# KiCad board Soldered Inkplate 4 TEMPERA with glass panel_panel.kicad_pcb (continued)
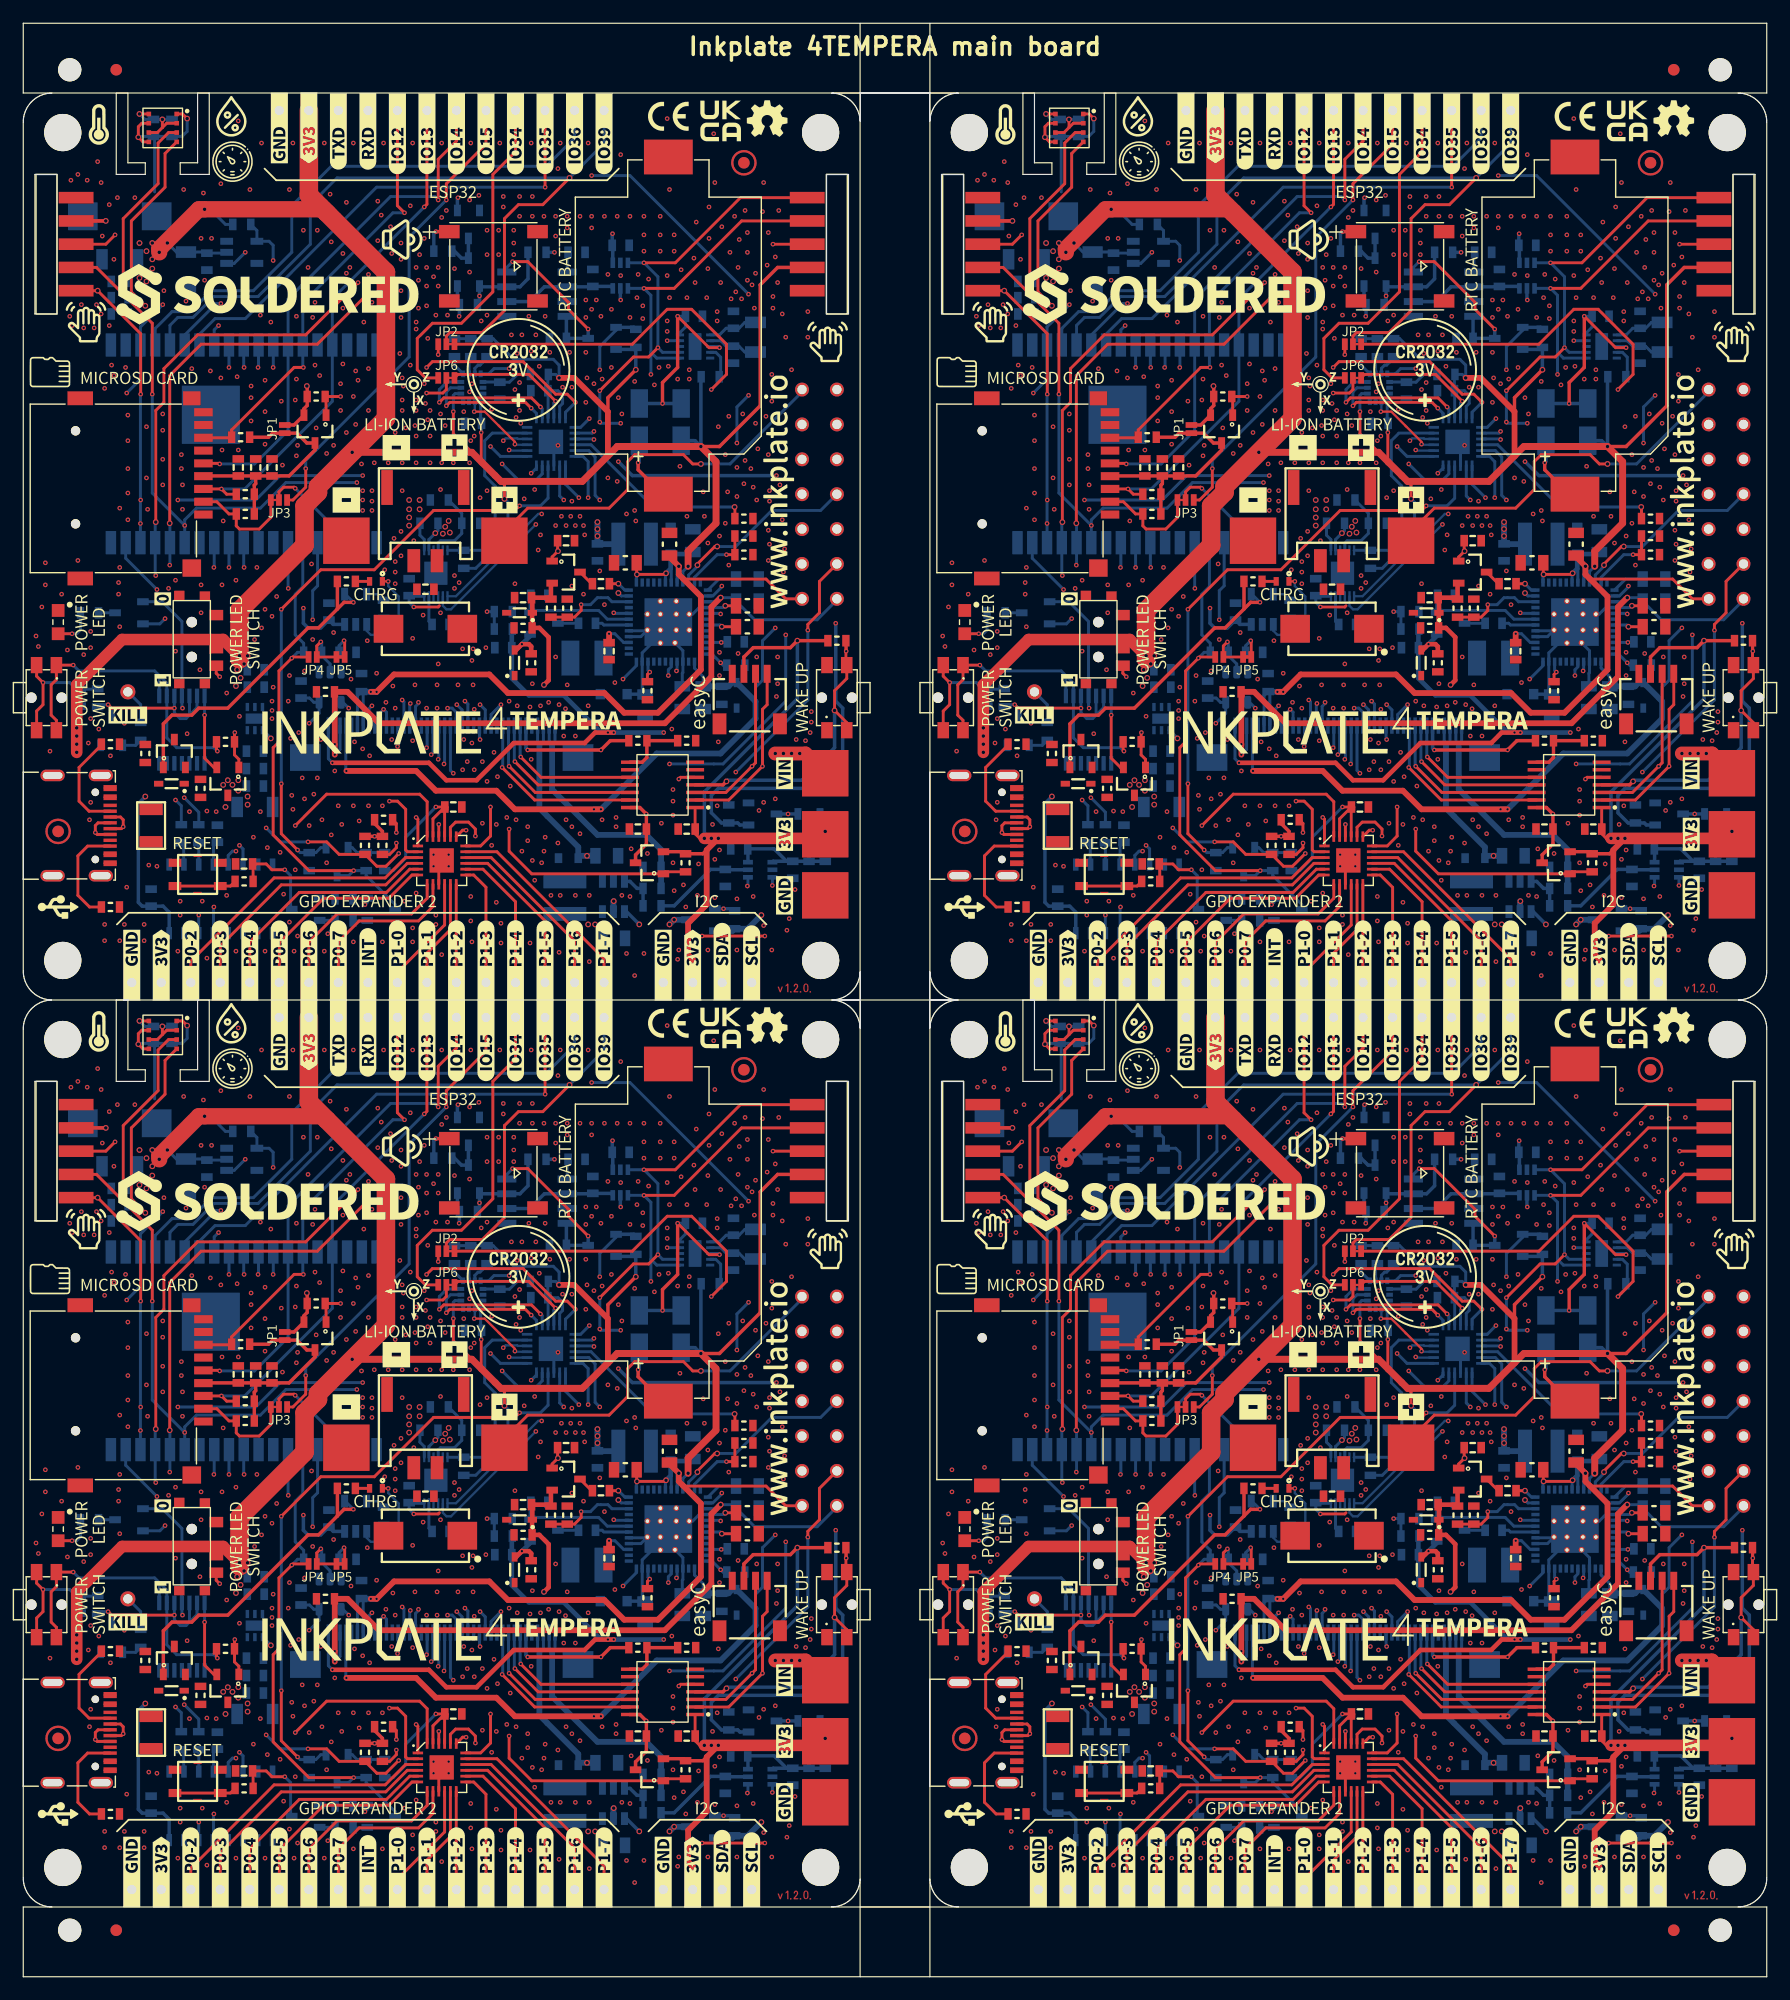
[diagram p0: board, top side]
## Routing (per net, layer and track width the routed paths; a pad name or vN(x,y) marks a point on that pad's centre or on a via; arc(x,y) is an arc through that point) (continued)
Board_1-Net-(R36-Pad1): length 28.2
  Top w0.254: R36#3.1 94.63,105.48 v1(94.7,105.4) ; SW2#3.1 80.85,108.05 80.4,108.5 80.4,111.1 80.85,111.55 SW2#3.1 v1(82.3,112.8)
  Bottom w0.254: v1(82.3,112.8) 82.8,112.3 89.3,112.3 89.7,111.9 ; 89.7,111.9 90.35,111.25 U7#2.9 90.35,106.55 91.2,105.7 94.4,105.7 v1(94.7,105.4) ; 89.7,111.9 U7#2.8
Board_1-Net-(R46-Pad1): length 5.7
  Top w0.3: R47#2.1 R46#4.1 131.65,104.85 131.25,104.45 U10#2.8
Board_1-Net-(R49-Pad2): length 3.3
  Bottom w0.3: R50.1 R49#2.2 130.8,93.6 130.2,94.2 U12#4.3
Board_1-Net-(R56-Pad2): length 1.8
  Bottom w0.254: U17#2.1 115.1,138.6 R56#3.2
Board_1-Net-(R57-Pad2): length 1.5
  Bottom w0.254: R57.2 116.35,139.18 U17#2.2
Board_1-Net-(R58-Pad2): length 2
  Bottom w0.254: U17#2.3 116.85,138.32 117.13,138.6 117.3,138.6 117.9,139.2 R58#3.2
Board_1-Net-(R62-Pad2): length 2.9
  Top w0.3: U20#3.1 v1(113.5,150.08)
  Bottom w0.3: R62#3.2 113.33,149.91 v1(113.5,150.08)
Board_1-OUT: length 18.8
  In1.Cu w0.3: v1(117.25,144.55) 117.25,151.15 v1(115.4,153)
  Bottom w0.3: R59#2.2 121.43,146.03 120.74,145.34 U18#3.3 117.32,145.34 Q14#4.1 117.25,143.98 R61.1 ; v1(115.4,153) 115.35,152.95 Q15.1
Board_1-POT_A: length 9.7
  Bottom w0.3: U18#3.2 121.57,144.07 122.84,145.34 U18#3.6 126.97,145.34 C62#4.2 128.55,145.37 U16#3.6
Board_1-POT_W: length 9.1
  In1.Cu w0.3: v1(123.7,148.3) 124,148.3 128.1,144.2 v1(129.4,144.2)
  Bottom w0.3: U16#3.5 129.37,144.23 v1(129.4,144.2) ; R59#2.1 v1(123.7,148.3)
Board_1-PWR_GOOD: length 23.7
  In1.Cu w0.254: v1(129.6,111.6) 123.2,118 123.2,125.7 v1(124.5,127)
  Bottom w0.254: U1#4.24 130.75,112.75 v1(129.6,111.6) ; v1(124.5,127) 124.15,127.35 U13#4.8
Board_1-PWRUP: length 24.3
  Top w0.254: R5#2.1 131.7,112 v1(131.9,112.2)
  In1.Cu w0.254: v1(131.9,112.2) 130,114.1 130,124.6 v1(127.6,127)
  Bottom w0.254: v1(127.6,127) 127.2,127.4 127.2,130.7 126.65,131.25 U13#4.5 ; v1(131.9,112.2) 131.75,112.35 U1#4.22
Board_1-RST: length 123.6
  Top w0.254: v1(101.4,99) 104.1,101.7 112.1,101.7 112.75,101.05 U15.24 ; v1(112.7,138.4) 113.2,138.9 121,138.9 123.8,136.1 124.8,136.1 v1(125.5,135.4)
  In1.Cu w0.254: v1(112.7,138.4) 112.4,138.1 110,138.1 99.8,148.3 v1(97.1,148.3) 94.5,148.3 v1(90,143.8) ; v1(86.9,136.2) 85.5,134.8 85.5,110 87.5,108 87.5,101.5 90.4,98.6 97.2,98.6 v1(97.8,98)
  In2.Cu w0.254: v1(101.4,99) 100.4,98 v1(97.8,98)
  Bottom w0.254: U4.1 96.15,147.35 v1(97.1,148.3) ; v1(90,143.8) 88.08,141.88 U14.3 88.08,137.38 v1(86.9,136.2) ; U13#4.24 124.65,134.55 v1(125.5,135.4)
Board_1-RXD: length 77.5
  Top w0.254: v2(90.6,125) 90.6,137.7 93.3,140.4 103.3,140.4 107.7,144.8 v1(107.7,146.4)
  In1.Cu w0.254: v1(90.6,121.4) 89.3,121.4 88.3,120.4 88.3,113.9 89.7,112.5 89.7,102.6 v1(91.1,101.2) ; v1(107.7,146.4) 107.65,146.45 K18#4.1
  Bottom w0.254: v2(90.6,125) 90.62,124.98 U14.34 90.62,121.42 v1(90.6,121.4) ; v1(91.1,101.2) 91.6,100.7 R35#4.2
Board_1-SD_ENABLE: length 21.1
  Top w0.254: v1(105.3,135.9) R39.2 104.05,135.83 Q8#4.1
  In1.Cu w0.254: v1(105.3,135.9) 109.6,131.6 v1(118.2,131.6)
  Bottom w0.254: U13#4.13 119.05,130.75 v1(118.2,131.6)
Board_1-SPI_CS: length 8.3
  Top w0.254: JP3.2 100,127.7 100.4,128.1 101.3,128.1 v1(101.4,128)
  Bottom w0.254: U14.23 104.59,124.81 v1(101.4,128)
Board_1-SPI_MISO: length 38.1
  Top w0.254: v1(110.8,151.7) 110.19,152.31 K20.1 ; K10#4.7 95.88,132.35 R44#2.1 95.93,133.03 101.3,138.4 v1(102.1,138.4)
  Bottom w0.254: v1(110.8,151.7) 109.8,151.7 102.05,143.95 U14.14 102.05,138.45 v1(102.1,138.4)
Board_1-SPI_MOSI: length 44.1
  Top w0.254: R43#4.1 95.5,127.5 v1(95.05,127.95) K10#4.3 ; K21#3.1 112.73,152.43 v1(112.5,152.2)
  Bottom w0.254: v1(112.5,152.2) 104.59,144.29 U14.16 104.59,135.49 97.05,127.95 v1(95.05,127.95)
Board_1-SPI_SCK: length 44.8
  Top w0.254: v1(113.7,152.8) 113.7,156.3 115.27,157.87 K19#4.1 ; K10#4.5 94.85,130.15 v1(94.9,130.1)
  Bottom w0.254: v1(113.7,152.8) 113.4,153.1 109.6,153.1 100.78,144.28 U14.13 100.78,132.98 97.9,130.1 v1(94.9,130.1)
Board_1-SW_IN: length 6.5
  Top w0.254: v1(93.6,108.5) 93.6,104.8 94.4,104 94.45,104
  Bottom w0.254: U7#2.14 v1(93.6,108.5)
Board_1-SW_OUT_D: length 20.1
  Top w0.254: v1(96.2,107) 96.18,106.98 R36#3.2 96.18,105.08 96.55,104.7 Q6#3.1
  In1.Cu w0.254: v1(96.2,107) 94.1,109.1 v1(91.7,109.1)
  Bottom w0.254: Q4#4.1 89.95,118.25 91.65,116.55 U7#2.11 91.65,109.15 v1(91.7,109.1)
Board_1-TOUCH_EN: length 28.9
  Top w0.254: v1(119.8,98.7) 119.8,96.8 121.75,94.85 Q11#4.1 133.25,95.03 R52#2.2 ; U15.1 111.95,99.55 v1(111.8,99.7)
  In1.Cu w0.254: v1(119.8,98.7) 118.8,99.7 v1(111.8,99.7)
Board_1-TOUCH_INT_B: length 13.8
  Top w0.254: U10#2.11 122.3,102.5 v1(120.3,104.5)
  Bottom w0.254: K12.8 120.25,104.55 v1(120.3,104.5)
Board_1-TOUCH_RESET: length 33.5
  Top w0.254: v1(134.4,103) 134.55,103.15 U10#2.5 ; v1(109.5,101.1) 110.2,101.1 110.9,100.4 110.9,96.9 111.05,96.75 U15.2
  In1.Cu w0.254: v1(134.4,103) 123.3,103 122,101.7 110.1,101.7 v1(109.5,101.1)
Board_1-TOUCH_RESET_B: length 12.9
  Top w0.254: U10#2.10 122.55,103.15 v1(120.8,104.9)
  Bottom w0.254: v1(120.8,104.9) 120.75,104.95 K12.7
Board_1-TXD: length 76.8
  Top w0.254: v2(89.4,125.1) 89.4,134.7 90.1,135.4 90.1,138.3 93,141.2 102.3,141.2 v1(106.8,145.7)
  In1.Cu w0.254: v1(89.4,120.5) 88.9,120 88.9,114.4 90.3,113 90.3,102.95 v1(91.85,101.4) ; K16#3.1 105.11,156.39 106.8,154.7 v1(106.8,145.7)
  Bottom w0.254: v2(89.4,125.1) 89.35,125.05 U14.35 89.35,120.55 v1(89.4,120.5) ; R34.2 93.1,100.15 v1(91.85,101.4)
Board_1-VBAT: length 40.3
  Top w0.254: v2(136.3,130.1) 135.6,130.1 134.8,130.9 130.6,130.9 130,130.3 130,127.9 128.4,126.3 121.4,126.3 119.33,124.23 ; 113.8,117.9 113.7,117.8 v1(111.6,117.8)
  Bottom w0.254: v2(136.3,130.1) 138.8,130.1 145,136.3 K1#3.8 ; v1(111.6,117.8) 111.2,118.2 C29#3.2 111.25,118.72 U5.6 ; R24.2 113.68,124.38 v2(113.45,124.15) 112.9,123.6 U5.8
  vias: v2(114.1,124.1) v2(114.3,124.7) v2(114.6,125.2) v2(114.7,124.2)
Board_1-VCOM: length 73.8
  Top w0.5: v1(105.8,103.7) 111.8,103.7 113.5,102 118.7,102 120.3,100.4 v1(127.7,100.4)
  In1.Cu w0.254: v1(142.7,116) 142.7,126.5 143.7,127.5 K1#3.11
  Bottom w0.254: 141,109.67 141,110.9 141.6,111.5 141.6,114.9 v1(142.7,116) ; C7#4.2 136.5,111.8 135.75,112.55 U1#4.14 ; v1(105.8,103.7) 105.75,103.75 K12.37
  Bottom w0.5: v1(127.1,100.4) v1(127.7,100.4) 132.5,105.2 138,105.2 141,108.2 141,109.67 D4#2.1 139,111.3 138.68,110.98 R9#3.2 C7#4.2
Board_1-VCOM_CTRL: length 28.4
  In1.Cu w0.254: v1(126.6,127.2) 126.9,127.5 131.1,127.5 137.2,121.4 137.2,113.8 v1(138,113)
  Bottom w0.254: R4#4.1 138.2,112.8 137.25,113.75 U1#4.12 ; v1(126.6,127.2) 126.6,130.3 126.15,130.75 U13#4.6
Board_1-VDDH: length 70.8
  Top w0.254: v1(145.5,115.8) 145.5,116.3 146.5,117.3 146.5,120 K1#3.2
  Top w0.4: D7#3.2 123.4,119.75 R15.2 123.28,118.6 C15#2.2 121.8,118.53 D3.2 121.78,117.28 R8#2.2 122.4,116 123.2,115.2 123.2,111.5 v2(122.8,111.1)
  In2.Cu w0.254: 122,110.4 124.1,110.4 130.9,103.6 v1(139.3,103.6)
  In2.Cu w0.4: v1(108,109.3) 109.1,110.4 122.1,110.4 v2(122.8,111.1)
  Bottom w0.254: v1(108,109.3) 107.75,109.05 K12.33 ; v1(145.5,115.8) 145.5,109.8 v1(139.3,103.6)
Board_1-VEE: length 81.1
  Top w0.4: R10#4.2 121.7,114.4 121.5,114.6 v1(120.9,114.6) 120.4,114.1 D5#4.1 ; v1(128.8,107) 127.2,107 126.3,106.1 120.2,106.1 117,102.9 114.4,102.9 112.9,104.4 v1(104.6,104.4)
  In1.Cu w0.254: K1#3.13 143.6,120.1 v1(143.6,115.4) ; v1(133.1,107) 133.1,104.8 v1(133.6,104.3)
  Bottom w0.254: K12.40 104.25,104.75 v1(104.6,104.4) ; v1(143.6,115.4) 143.6,109.7 138.2,104.3 v1(133.6,104.3)
  Bottom w0.4: v1(133.1,107) v1(128.8,107) 127.7,107 124.5,110.2 121.5,110.2 120.03,111.67 C14#2.2 ; C14#2.2 120.03,115.86 R13#2.2 ; C14#2.2 120.6,114.3 121.6,115.3 D6#2.1
  vias: v1(128.3,107)
Board_1-VIN: length 153.3
  Top w0.5: C9#2.2 v1(128.4,115.5)
  Top w1.2: PAD3.1 145.3,105.2 v2(142.7,105.2)
  In2.Cu w0.4: 134.9,107.7 136.9,107.7 138.9,109.7 138.9,113.9 v1(138.05,114.75)
  In2.Cu w0.5: v2(142.7,105.2) 144.7,103.2 144.7,99.3 141.5,96.1 v2(141.5,91.3) ; 126.9,115.7 128.2,115.7 v1(128.4,115.5)
  In2.Cu w1.2: v2(127.4,124.5) v2(127.4,125.1) ; v2(127.4,125.1) 141.7,139.4 146.6,139.4 148,138 K1#3.7 ; v2(127.4,125.1) 127.4,123 125.4,121 119.5,121 114.2,115.7 ; 144.6,105.2 137.4,105.2 126.9,115.7 114.2,115.7 ; v2(96,102.5) 96,102.9 106.5,113.4 111.9,113.4 114.2,115.7
  Bottom w0.254: U1#4.27 129.65,114.75 128.9,115.5 v1(128.4,115.5) ; U1#4.10 v1(138.05,114.75) ; v1(138.05,114.75) 138.1,114.8 C6.2 138.52,114.75 v1(138.05,114.75)
  Bottom w0.3: v2(99.3,106.5) 99.29,106.5 U3#3.4
  Bottom w0.5: Q12#4.2 139.03,89.95 R53#3.2 140.33,90.13 v2(141.5,91.3) ; L2.1 127.43,123.2 C10#2.2 v2(127.4,125.1)
  vias: v2(95.2,102.5) v2(95.4,100.6) v2(95.6,102.9) v2(96.5,102.9) v2(96.5,102) v2(97.3,101.5) v2(97.3,100.8) v2(127.4,123.9) v2(143.4,105.2) v2(144.1,105.2) v2(144.8,105.2)
Board_1-VIN_BCK: length 11
  In1.Cu w0.5: v2(134,90.9) v2(133.6,90.5) v2(131,90.5) v2(126.6,90.5)
  Bottom w0.3: v2(131,90.5) 129.9,91.6 U12#4.4
  Bottom w0.5: v2(133.6,90.5) v2(134,90.9) Q12#4.3
  vias: v2(127.2,90.5)
Board_1-VNEG: length 65.1
  Top w0.5: v1(104.8,105.1) v1(104.8,106) 104.8,110.48 R6.1 105.9,110.5 108.6,107.8 133.2,107.8 137.2,111.8 137.2,117.8 v2(138,118.6)
  Bottom w0.254: K12.38 105.25,105.55 v1(104.8,105.1) ; 137.8,118.6 v2(138,118.6) ; 137.8,118.6 137.45,118.25 U1#4.3 ; 137.8,118.6 139.03,118.6 C2.2 140.92,116.7 146.3,116.7 148,118.4 K1#3.1 ; K12.39 104.75,106.05 v1(104.8,106)
Board_1-VPOS: length 62.7
  Top w0.254: K1#3.14 143.6,118.5 141.9,120.2 134.8,120.2 134.75,120.25
  Top w0.5: v1(107.9,110.5) v1(108.4,110.5) 109.9,112 118.1,112 119.7,110.4 128,110.4 129.7,108.7 132.6,108.7 136.3,112.4 136.3,118.7 134.4,120.6 v2(134.4,121.3) 133.5,122.2
  Bottom w0.254: v2(134.4,121.3) 134.25,121.15 U1#4.44 ; K12.35 106.75,110.18 R7#2.1 107.25,110.38 K12.34
  Bottom w0.5: R7#2.1 107.13,110.5 v1(108.4,110.5)
Board_1-VSYS: length 36.4
  In2.Cu w1.2: 111,126.6 v1(102.1,117.7) 98.5,114.1 98.5,111.7 93.7,106.9 v1(92.1,106.9)
  Bottom w0.254: R24.1 112.13,123.98 112.5,123.6 U5.7
  Bottom w0.3: v1(102.1,117.7) 102.1,116.4 102.5,116 103.6,116 104.27,116.67 C67#3.2 104.67,116.3 U2.3
  vias: v2(111.2,127) v2(111.2,126.2) v2(111.2,125.5) v2(111.2,124.8) v2(112.1,127) v2(112.1,126.2)
Board_1-VUSB: length 42
  Top w0.3: 105.03,117.63 R19#2.1 ; 105.03,117.63 105.6,118.2 v1(106.4,118.2) ; 105.03,117.63 103.4,116 102.5,116 95.6,109.1 93.1,109.1 92.5,108.5 90.8,108.5 90.05,107.75 Q7#4.1
  Bottom w0.254: U2.4 105.7,118.9 v1(106.4,118.2)
  Bottom w0.3: U6#3.16 90.56,91.55 90.03,92.07 C32#4.2 88.23,92.07 87.9,92.4 87.9,100.9 v2(88.5,101.5)
Board_1-WAKEUP: length 28.5
  Top w0.254: R3.1 139.23,126.38 v2(139.2,126.4)
  In1.Cu w0.254: v1(138,117.2) 138.7,117.2 139.6,118.1 139.6,126 v2(139.2,126.4)
  Bottom w0.254: U13#4.4 126.85,131.75 132.2,126.4 v2(139.2,126.4) ; v1(138,117.2) 137.95,117.25 U1#4.5
Board_2-3V3: length 447
  Top w0.254: 39.45,52.25 39.4,52.3 v1(39.4,54.8) ; 11.97,81.03 11.54,80.6 U19#2.6 ; 11.97,81.03 12.34,81.4 U19#2.2 ; 11.97,81.03 v2(11.97,81.73) ; U15#2.18 39.35,19.25 40.2,20.1 v1(40.2,22.6) ; 36.47,22.37 36.47,22.6 36.25,22.38 U15#2.21 ; 40.6,51.1 41.4,50.3 v2(41.4,49.1) ; v1(35.5,22.6) C59.2 35.25,21.58 U15#2.23 ; 38.6,53.1 37,54.7 v1(37,56.6) ; v2(58.6,19.9) 58.2,19.9 57.81,20.29 C42#2.2 57.8,20.71 U10#3.1 ; U19#2.8 v2(10,82.2)
  Top w0.3: K43.4 64.9,69 63.4,67.5 63.4,57.1 59.9,53.6 v2(58.3,53.6) ; 58.8,18.9 58.48,18.57 R52.1 56.8,18.75 Q11#3.2 ; JP1#3.2 23.3,55.45 Q8.2 24.15,56.85 24.43,57.12 R39#2.1 24.43,58.78 v2(24.4,58.8) ; 50.3,56.6 50.3,57.8 v2(52.7,60.2) ; K4#2.3 62,35.5 62.8,36.3 66,36.3 v2(66.6,36.9) R41#2.2 ; 11.13,69.72 v2(11.1,69.7) ; R2.2 R1.2 30.9,20.5 30.23,21.18 R55#3.1
  Top w0.32: K42#4.4 v2(7.1,73)
  Top w0.5: K5#3.1 57.59,9.51 57.2,9.9 57.2,12.6 58.8,14.2 58.8,18.9 v2(59.8,19.9) ; v2(46.1,59.5) 47.4,59.5 50.3,56.6 50.3,52.8
  Top w0.6: v2(28.3,53.1) 38.6,53.1 41.1,50.6 48.1,50.6 51.1,53.6 v2(58.3,53.6) 59.6,52.3 59.6,47 57.2,44.6 v2(57.2,43.3)
  Top w1: v2(4.6,27.3) 4.6,33.1 8.5,37 17.2,37 v2(18.6,35.6) ; PAD4#2.1 68.65,19.9 v2(58.6,19.9)
  Top w1.4: v2(11.7,70.3) 11.7,70.6 15.1,74 v2(15.6,74) 25.8,74 26.1,73.7
  Top w1.6: 18.6,35.3 18.6,39.5 24.2,45.1 24.2,48.5 25.35,49.65 25.35,50.15 31.2,56 31.2,68.6 24.57,75.23 K13#2.1
  In1.Cu w0.254: v2(15.6,74) 14.5,74 11.97,76.53 v2(11.97,81.73)
  In1.Cu w0.3: v2(7.1,73) 7.8,73.7 15.3,73.7 v2(15.6,74) ; v2(28.3,53.1) 24.4,57 v2(24.4,58.8)
  In1.Cu w1: v2(4.6,29.4) 4.6,19.8 5.1,19.3 7.3,19.3 10.5,16.1 ; v2(59.8,19.9) 49.8,19.9 47.1,22.6 v1(35.5,22.6) 32.6,22.6 26.1,16.1 10.5,16.1 ; K22#4.1 11.87,14.73 10.5,16.1
  Bottom w0.254: U1#2.45 56.75,42.85 v2(57.2,43.3) ; C65#2.2 C64#2.2 10.47,81.73 v2(10,82.2) ; v2(15.6,74) 16.1,74 17.4,72.7 R27#4.2 ; C53#4.2 45.13,59.75 R54#2.1 45.8,59.8 v2(46.1,59.5) 46.1,60.6 45.6,61.1 42.9,61.1 ; v2(41.4,49.1) 41.7,48.8 41.7,45.9 38.93,43.12 R26.1 ; 42.9,61.1 42.2,61.1 40.43,62.88 R58#2.1 R56#2.1 ; 42.9,61.1 42.4,60.6 42.4,59.7 41.83,59.13 C61#3.2 40.98,59.15 U17.5 ; v1(35.5,22.6) 32.9,20 32.9,18.2 31.83,17.12 R21#4.2 ; U13#2.23 46.15,57.05 46.4,57.3 46.4,58 46,58.4 45.03,58.4 45.15,58.28 U13#2.21 ; v1(39.4,54.8) 39.43,54.83 C63#4.2 39.35,55.68 U17.8 ; v1(37,56.6) 37,58 37.15,58.15 U17.12 ; U4#4.2 17.43,70.23 C27#2.2 15.71,70.33 C25#4.2 13.18,70.33 v2(12.4,71.1)
  Bottom w0.3: Q13#4.2 52.53,61.95 R60#4.1 v2(52.7,60.2) ; v2(58.6,19.9) 58.6,23.9 66.6,31.9 v2(66.6,36.9) ; 57.7,54.1 D11.1 57.8,54.1 v2(58.3,53.6) 58.3,59.58 R40#2.2 ; v2(69,20.5) 68.55,20.95 Q9#3.2
  vias: v1(30.23,20.07) v2(4.6,28.7) v2(4.6,28) v2(10,71.1) v2(10,68.1) v2(10.6,70.4) v2(10.6,67.8) v2(11.1,71.1) v2(11.1,68.9) v2(18.3,33) v2(18.4,34.4) v2(18.7,33.7) v2(19,34.9) v2(19.3,35.6) v2(59.2,19.9)
Board_2-3V3-EINK: length 81.9
  Top w0.254: v2(58,43.4) 58,43.5 59.5,45 v2(59.7,45)
  In1.Cu w0.254: 38.1,27.4 35.8,25.1 26.3,25.1 24.6,26.8 v1(24.6,29.8)
  In1.Cu w0.5: v2(58,43.4) 58.4,43 58.4,36.6 56.9,35.1 55.3,35.1 54.7,34.5 54.7,33.1 53.7,32.1 50.4,32.1 48.5,30.2 42.5,30.2 39.7,27.4 37.4,27.4 35.7,29.1 32.9,29.1 v1(31,31)
  Bottom w0.254: K12#2.31 30.75,30.75 v1(31,31) 31.25,30.75 K12#2.30 ; K1#4.4 68.6,48.1 64.4,48.1 61.3,45 v2(59.7,45) ; C51#4.2 24.63,31.97 25,31.6 U11#4.5 25.45,30.65 v1(24.6,29.8) ; U1#2.46 57.25,42.55 58,43.3 v2(58,43.4)
Board_2-3V3_BUZZER: length 42.8
  Top w0.254: v1(42.1,69.5) 43.4,69.5 46.9,66 46.9,65.4 v1(48.6,63.7)
  In1.Cu w0.3: v1(37.5,64.8) 38.6,63.7 v1(48.6,63.7) 50,63.7 52.1,65.8 52.1,70.5 v1(50.7,71.9)
  Bottom w0.254: U18#2.4 41.6,69 v1(42.1,69.5)
  Bottom w0.3: U18#2.8 46.73,64.72 C66.2 Q13#4.3 v1(48.6,63.7) ; U16#4.1 50.72,70.85 C60#3.2 50.67,71.87 v1(50.7,71.9) ; v1(37.5,64.8) 37.53,64.83 R61#2.2 37.35,65.97 Q14#3.2
Board_2-3V3_MICROSD: length 20.6
  Top w0.3: C40#4.2 20,50.4 19.88,50.28 R43#2.2 R42#4.2 ; C40#4.2 C39#2.2 22.87,51.07 25.1,53.3 Q8.3 24.4,53.9 23.55,54.75 JP1#3.1 21.45,54.75 21.1,54.4 R44#3.2 ; C40#4.2 C41#4.2 15.52,51.07 K10#3.4
Board_2-3V3_RTC: length 19.7
  Top w0.254: v1(59.9,62.1) 59,62.1 v1(56.3,64.8)
  Top w0.3: v1(55,57.3) 55,59.1 56.3,60.4 v1(56.3,64.8)
  Bottom w0.254: v1(59.9,62.1) 59.8,62.2 U8.3 ; U8.10 56.5,63.4 56.97,63.87 C38#3.2 v1(56.3,64.8)
  Bottom w0.3: D12#3.2 D11.2
Board_2-3V3_TOUCH: length 24.5
  Top w0.3: Q11#3.3 52.68,18.48 53.61,19.41 C49#2.1 53.61,21.99 53.05,22.55 U10#3.14 ; R46#3.2 50.5,28.3 v1(49.7,27.5) v1(43.4,27.5)
  In2.Cu w0.3: v1(53.6,22) 53.6,23.6 v1(49.7,27.5)
  Bottom w0.3: K12#2.6 43.25,27.65 v1(43.4,27.5)
Board_2-/CTRL & COMS/BIN: length 6.3
  Bottom w0.254: U5#4.10 35.7,45.3 35.9,45.5 37.1,45.5 37.73,46.12 R28.1 37.73,47.85 R25#4.2
Board_2-/CTRL & COMS/CH_RXD: length 1.9
  Bottom w0.254: U6#2.3 15.1,17.66 R34#4.1
Board_2-/CTRL & COMS/CH_TXD: length 2
  Bottom w0.254: R35#3.1 13.8,19.32 13.8,17.68 U6#2.2
Board_2-/CTRL & COMS/DTR: length 17.2
  In1.Cu w0.254: v1(29.4,14.2) 16.6,14.2 v1(16.4,14)
  Bottom w0.254: R29#2.2 28.43,14.75 Q3.2 29.6,14.4 v1(29.4,14.2) ; U6#2.13 16.37,13.97 v1(16.4,14)
Board_2-/CTRL & COMS/RTS: length 16
  In1.Cu w0.254: v1(15.1,13.3) 24.6,13.3 v1(26.2,11.7)
  Bottom w0.254: v1(15.1,13.3) 15.1,13.29 U6#2.14 ; v1(26.2,11.7) 26.83,12.32 R30#2.2 26.78,12.85 Q2#4.2
Board_2-/E-paper/DAC_OUT: length 8.8
  Bottom w0.3: R50#4.2 56,14.1 59.13,17.23 C48#3.2 60.43,17.2 U9#2.5
Board_2-/MCU & GPIO Expanders/GPIO34: length 28.8
  Top w0.254: JP6.2 36.4,58.5 36.1,58.2 v1(34.7,58.2)
  In1.Cu w0.254: v1(17,65.9) 21.3,65.9 29,58.2 v1(34.7,58.2)
  Bottom w0.254: U14#2.6 13.89,63.19 16.6,65.9 v1(17,65.9)
Board_2-/MCU & GPIO Expanders/INTB: length 11.8
  Top w0.254: JP6.1 37.4,59.8 v1(43,59.8) 43.5,59.8 v1(45.8,57.5)
  Bottom w0.254: v1(43,59.8) 43.53,59.8 ; v1(45.8,57.5) 45.65,57.35 U13#2.22
Board_2-/POWER/INT_LDO: length 2.2
  Top w0.254: v2(60.1,38.1) 61.03,38.1
  Bottom w0.254: U1#2.7 59.95,38.25 v2(60.1,38.1)
Board_2-/POWER/TS: length 6.3
  Top w0.254: v1(60.5,44.3) R11#4.2 R12#4.2
  Bottom w0.254: v1(60.5,44.3) 59.7,44.3 57.75,42.35 U1#2.47
Board_2-/POWER/VB: length 10.7
  Top w0.254: v2(55.3,42.7) 55.2,42.6 v2(52.8,42.6) 52.78,42.62 C12#3.2
  Bottom w0.254: U1#2.42 55.25,42.65 55.7,43.1 55.75,43.05 U1#2.43 ; U1#2.37 52.75,42.55 v2(52.8,42.6)
  Bottom w0.4: C11#3.2 57.43,44.35 D2.1 55.7,43.1 v2(55.3,42.7)
Board_2-/POWER/VN: length 19
  Top w0.254: C3#4.2 v2(60.4,39.9)
  Bottom w0.254: U1#2.49 56.75,36.04 U1#2.16 56.75,34.15 56.7,34.1 C8.2 ; U1#2.49 57.59,39.19 58.15,39.75 U1#2.4 60.25,39.75 v2(60.4,39.9) ; U1#2.29 53.64,37.75 U1#2.49 53.14,37.25 U1#2.28 ; 53.48,32.3 C5#2.2 53.25,32.53 U1#2.23 53.25,35.85 54.1,36.7 U1#2.49
  Bottom w0.3: D1.2 53.48,32.3
Board_2-/POWER/VREF: length 2.8
  Bottom w0.254: C1#4.2 59.85,42.2 U1#2.1
Board_2-/SD & RTC/X1: length 4.3
  Bottom w0.254: U8.1 59.9,63.2 60.47,63.77 C36#3.2 61.58,63.77 62.09,64.28 X1#3.1
Board_2-/SD & RTC/X2: length 4.3
  Bottom w0.254: X1#3.2 62.08,61.72 61.57,62.23 C37.2 60.47,62.23 60,62.7 U8.2
Board_2-BACKLIGHT_EN: length 68.7
  In1.Cu w0.3: v1(64.8,51.1) 67.8,51.1 68.5,50.4 68.5,39.8 v1(69.9,38.4)
  In2.Cu w0.3: v1(51.2,52.3) 44.7,52.3 v1(43.7,51.3)
  Bottom w0.254: v1(43.7,51.3) 44.15,51.75 U13#2.12
  Bottom w0.3: v1(69.9,38.4) 69.9,31.7 70.5,31.1 70.5,27.4 67.3,24.2 59.8,24.2 59.2,23.6 59.2,22.1 60.08,21.22 R51.2 61.48,21.22 61.65,21.05 Q10#4.1 ; v1(51.2,52.3) 52.4,51.1 v1(64.8,51.1)
Board_2-BCK_ANODE: length 22.7
  In1.Cu w0.5: v2(48.5,18.4) 48.5,16.8 v2(50.8,14.5)
  Bottom w0.254: K12#2.4 44.25,28.05 44.4,27.9 44.75,28.25 K12#2.3
  Bottom w0.5: v2(50.8,14.5) 50.78,14.47 U12.5 ; v2(48.5,18.4) C50.2 47.95,18.4 D13#3.2 47.75,19.15 44.4,22.5 44.4,27.9
Board_2-BCK_CATHODE: length 22.3
  Bottom w0.254: K12#2.1 45.75,28.15 45.5,27.9 45.25,28.15 K12#2.2
  Bottom w0.5: 45.5,27.9 45.5,24.1 49.4,20.2 53.6,20.2 54.88,18.93 R48#3.2 R49#3.1
Board_2-BCK_MOS: length 14.1
  In1.Cu w0.3: v1(65.8,22) 60.25,16.45 v1(60.25,13.85)
  Bottom w0.3: Q12#2.1 61.03,13.85 R53#2.1 ; Q10#4.3 v1(65.8,22) Q9#3.1
Board_2-BUZZER_EN: length 20.5
  In1.Cu w0.254: v1(41.8,53.3) 41.8,57.2 44.8,60.2 v1(49.6,60.2)
  Bottom w0.2: U13#2.14 41.85,53.25
  Bottom w0.254: v1(41.8,53.3) 41.85,53.25 ; Q13#4.1 51,63.6 49.6,62.2 v1(49.6,60.2)
  Bottom w0.3: R60#4.2 52.53,63.85 Q13#4.1
Board_2-CLKOUT_RTC: length 22.2
  Top w0.254: v1(35.7,61.5) JP2.1
  In1.Cu w0.254: v1(55.4,62.7) 36.9,62.7 v1(35.7,61.5)
  Bottom w0.254: U8.9 v1(55.4,62.7)
Board_2-D+: length 17.8
  Top w0.254: K2.B6 6.36,20.24 v1(6.2,20.4) 6.2,21 6.44,21.24 K2.A6
  In1.Cu w0.254: v1(6.2,20.4) 7.9,20.4 9.67,18.63 18.14,18.63 v1(18.3,18.8)
  Bottom w0.254: v1(18.3,18.8) 18,18.8 17.64,18.44 U6#2.5
Board_2-D-: length 15.5
  Top w0.254: K2.B7 8.36,21.74 8.6,21.5 v1(8.6,20.9) 8.44,20.74 K2.A7
  In1.Cu w0.254: v1(18.6,19.3) 10.2,19.3 v1(8.6,20.9)
  Bottom w0.254: U6#2.6 18.91,19 v1(18.6,19.3)
Board_2-EPD_CKV: length 48
  In1.Cu w0.254: v1(16.8,64) 20.7,64 22.8,61.9 22.8,49.8 39.3,33.3 v1(39.3,31.4)
  Bottom w0.254: v1(39.3,31.4) 39.75,30.95 K12#2.13 ; U14#2.8 16.43,63.63 v1(16.8,64)
Board_2-EPD_CL: length 8.4
  In1.Cu w0.254: v1(32.2,27.8) 31.04,27.8 28,30.84 v1(28,31.1)
  Bottom w0.254: K12#2.28 32.25,27.85 v1(32.2,27.8) ; U11#4.4 27.5,31.6 v1(28,31.1)
Board_2-EPD_D0: length 25.8
  In1.Cu w0.254: v1(34.7,27.7) 33.4,27.7 30.9,30.2 30,30.2 22.8,37.4 v1(22.8,41.4)
  Bottom w0.254: K12#2.23 34.75,27.75 v1(34.7,27.7) ; v1(22.8,41.4) 22.78,41.42 U14#2.26
Board_2-EPD_D1: length 29.8
  In1.Cu w0.254: v1(19,43.2) 19,40.3 24.9,34.4 24.9,33.4 31.2,27.1 v1(35.1,27.1)
  Bottom w0.254: v1(35.1,27.1) 35.25,27.25 K12#2.22 ; U14#2.29 18.97,43.23 v1(19,43.2)
Board_2-EPD_D2: length 32
  In1.Cu w0.254: v1(35.7,26.7) 35.4,26.4 31.3,26.4 17.7,40 v1(17.7,43.2)
  Bottom w0.254: K12#2.21 35.75,26.75 v1(35.7,26.7) ; U14#2.30 v1(17.7,43.2)
Board_2-EPD_D3: length 35
  In1.Cu w0.254: v1(36.2,26.3) 35.6,25.7 30,25.7 16.4,39.3 v1(16.4,43.2)
  Bottom w0.254: K12#2.20 36.25,26.35 v1(36.2,26.3) ; U14#2.31 16.43,43.23 v1(16.4,43.2)
Board_2-EPD_D4: length 44.9
  In1.Cu w0.254: v1(11.5,41.3) 11.5,36.7 23.7,24.5 36,24.5 v1(37,25.5)
  Bottom w0.254: v1(37,25.5) 36.75,25.75 K12#2.19 ; v1(11.5,41.3) 8.81,43.99 U14#2.37
Board_2-EPD_D5: length 40.5
  In1.Cu w0.254: v1(19,60.4) 19,48.6 v1(36.5,31.1)
  Bottom w0.254: v1(19,60.4) 18.97,60.43 U14#2.10 ; v1(36.5,31.1) 36.9,31.1 37.25,30.75 K12#2.18
Board_2-EPD_D6: length 40
  In1.Cu w0.254: v1(20.2,60.4) 20.2,49.5 37.3,32.4 v1(37.3,31.4)
  Bottom w0.254: U14#2.11 20.24,60.44 v1(20.2,60.4) ; v1(37.3,31.4) 37.75,30.95 K12#2.17
Board_2-EPD_D7: length 39.7
  In1.Cu w0.254: v1(38,31.7) 38,33.3 21.5,49.8 v1(21.5,60.4)
  Bottom w0.254: K12#2.16 38.25,31.45 v1(38,31.7) ; v1(21.5,60.4) 21.51,60.41 U14#2.12
Board_2-EPD_GMODE: length 34.1
  In1.Cu w0.254: v1(49.1,54.9) 48,54.9 40.5,47.4 40.5,29.6 v1(39.3,28.4)
  Bottom w0.254: v1(49.1,54.9) 48.95,54.75 U13#2.2 ; v1(39.3,28.4) 39.25,28.45 K12#2.14
Board_2-EPD_LE: length 19.6
  In1.Cu w0.254: v1(24.9,38.7) 31.8,31.8 v1(32.6,31.8)
  Bottom w0.254: K12#2.27 32.75,31.65 v1(32.6,31.8) ; U14#2.24 25.32,41.62 24.9,41.2 v1(24.9,38.7)
Board_2-EPD_OE: length 41.2
  In1.Cu w0.254: v1(48.7,56) 47.2,56 39.3,48.1 39.3,34.5 39.9,33.9 39.9,31.1 39.1,30.3 33.9,30.3 33.3,30.9 v1(33.3,31.5)
  Bottom w0.254: K12#2.26 33.25,31.45 v1(33.3,31.5) ; U13#2.1 47.95,55.25 v1(48.7,56)
Board_2-EPD_SPH: length 39.6
  In1.Cu w0.254: v1(17.7,60.4) 17.7,47.9 v1(34,31.6)
  Bottom w0.254: K12#2.25 33.75,31.25 34,31.5 v1(34,31.6) ; U14#2.9 v1(17.7,60.4)
Board_2-EPD_SPV: length 29.9
  In1.Cu w0.254: v1(49.1,54.2) 41.1,46.2 v1(41.1,31.4)
  Bottom w0.254: v1(41.1,31.4) 40.25,30.55 K12#2.12 ; v1(49.1,54.2) 49.05,54.25 U13#2.3
Board_2-GND: length 18.8
  Top w0.254: U19#2.7 10.2,81.4 9.9,81.1 v2(9.9,80.2) 10.3,79.8 U19#2.5 ; v2(14.1,81.8) 13.7,82.2 U19#2.1 ; U15#2.25 35.75,17.75 U15#2.9
  Bottom w0.254: U13#2.25 45.65,53.75 U13#2.9 ; C64#2.1 11.3,80.17 11.3,75.5 ; C64#2.1 9.97,80.27 v2(9.9,80.2) ; C64#2.1 C65#2.1 13.67,80.27 14.1,80.7 v2(14.1,81.8) ; 5.2,73.4 C54.2
  vias: v1(1.1,37.3) v1(1.3,36.4) v1(1.6,39.8) v1(1.9,43.6) v1(1.9,41.7) v1(2.3,27.4) v1(3.3,40.9) v1(3.8,36.1) v1(4,64.8) v1(4.1,76.5) v1(4.2,64) v1(4.7,77) v1(4.7,43.8) v1(5,65.8) v1(5.2,63.8) v1(5.2,35.7) v1(5.5,76.5) v1(5.6,28.1) v1(5.7,21.5) v1(5.8,37.7) v1(5.8,36.3) v1(5.8,30.2) v1(5.8,23) v1(6.1,63.8) v1(6.3,65.8) v1(6.4,78.1) v1(6.5,29.3) v1(6.7,76.3) v1(6.7,65) v1(6.8,71.7) v1(7,58.6) v1(7,12.5) v1(7,11.1) v1(7.4,74.4) v1(7.4,64) v1(7.5,27) v1(7.6,60.6) v1(7.8,69.7) v1(7.8,59.7) v1(8.1,75) v1(8.2,41.9) v1(8.2,40.9) v1(8.3,48.3) v1(8.3,43.2) v1(8.3,38.1) v1(8.3,11.1) v1(8.7,29.8) v1(8.7,12.5) v1(8.8,60.4) v1(8.9,15.7) v1(9,56.3) v1(9,54.1) v1(9,51.7) v1(9,49.6) v1(9,47.3) v1(9.6,75) v1(10.4,12.5) v1(10.4,11.1) v1(10.6,55.3) v1(10.6,50.9) v1(10.7,48.2) v1(10.8,17.6) v1(11.5,17.5) v1(12,56.4) v1(12,55) v1(12,52.5) v1(12,50.3) v1(12.1,67) v1(12.5,41.4) v1(13.1,42.1) v1(13.1,36) v1(13.3,10.2) v1(13.5,14.5) v1(13.5,13.3) v1(13.6,52.9) v1(13.6,51.7) v1(13.7,50.3) v1(13.7,48.2) v1(13.8,75.7) v1(14,66.1) v1(14.3,22.2) v1(14.5,60.3) v1(15.2,34.4) v1(15.3,71.5) v1(15.3,41.7) v1(15.3,39.3) v1(15.4,14.5) v1(15.5,75.4) v1(15.6,67.9) v1(15.8,22.25) v1(15.8,9.6) v1(16.1,60.1) v1(16.2,71.5) v1(16.6,22.2) v1(17,76.2) v1(17,59.5) v1(17.1,53.3) v1(17.1,41.7) v1(17.2,47.2) v1(17.5,32.4) v1(17.5,15) v1(18.3,42.1) v1(18.3,10.2) v1(18.4,59.6) v1(18.5,81.6) v1(18.5,53.3) v1(18.6,30.4) v1(19.5,75.7) v1(19.6,58.8) v1(19.6,57.8) v1(19.6,55.8) v1(19.9,37) v1(20.1,43.2) v1(20.4,64.9) v1(20.4,22.2) v1(20.5,79.7) v1(20.5,38) v1(20.8,59.3) v1(20.8,56.6) v1(20.8,53.8) v1(20.8,39.6) v1(20.8,10.2) v1(21,19.1) v1(21.3,64.3) v1(21.4,39) v1(21.4,31.7) v1(21.4,30.9) v1(21.4,30.2) v1(21.5,32.9) v1(21.8,40.7) v1(22.1,18.7) v1(22.2,57.5) v1(22.3,52) v1(22.4,15.1) v1(22.8,31.7) v1(22.9,75.7) v1(22.9,33.9) v1(22.9,12.7) v1(23,28.5) v1(23.1,23.6) v1(23.2,79.7) v1(23.2,22.4) v1(23.3,10.2) v1(23.4,57.6) v1(23.4,17.2) v1(23.5,64.8) v1(23.5,59.4) v1(23.5,52.8) v1(23.6,53.7) v1(23.6,11.5) v1(23.7,29) v1(24,25.1) v1(24.1,72.2) v1(24.2,34.3) v1(24.2,23.3) v1(24.5,69) v1(24.6,21) v1(24.8,43.5) v1(24.9,64.7) v1(24.9,37) v1(25,23.7) v1(25.1,66) v1(25.1,60.6) v1(25.2,55.2) v1(25.3,72.2) v1(25.3,25.1) v1(25.5,59.7) v1(25.6,28.4) v1(25.7,21.5) v1(25.9,79.7) v1(25.9,10.2) v1(26.1,53) v1(26.1,17.8) v1(26.4,75.3) v1(26.5,71.2) v1(26.7,53.7) v1(26.7,37.6) v1(26.8,25.7) v1(27.1,22.7) v1(27.3,59) v1(27.3,56.7) v1(27.4,21.1) v1(27.5,70.2) v1(27.5,65.5) v1(27.5,60.7) v1(27.8,74.6) v1(27.8,68.5) v1(27.8,54.8) v1(28.1,69) v1(28.2,33.6) v1(28.4,79.7) v1(28.4,57.9) v1(28.4,22.7) v1(28.4,11) v1(28.5,28.2) v1(28.6,60.1) v1(28.6,55.5) v1(28.8,59.3) v1(28.9,21.4) v1(29.1,52.1) v1(29.2,49.8) v1(29.2,49) v1(29.2,48.1) v1(29.2,27.6) v1(29.3,64.3) v1(29.6,36.9) v1(29.7,60.3) v1(29.7,56.7) v1(29.7,22.7) v1(29.8,27) v1(30,66) v1(30,49.8) v1(30,48.9) v1(30,48.1) v1(30.2,52.2) v1(30.4,34.1) v1(30.5,74.7) v1(30.5,71.3) v1(30.8,73.5) v1(30.9,22.7) v1(30.9,11) v1(31,79.7) v1(31.1,43) v1(31.2,31.6) v1(31.4,52.2) v1(31.6,72.5) v1(31.7,70.2) v1(31.7,28.4) v1(31.8,33) v1(31.9,45.7) v1(32,54.8) v1(32,43.7) v1(32,42.8) v1(32,41.8) v1(32,31.1) v1(32.4,61.6) v1(32.5,71.1) v1(32.5,69.7) v1(32.5,67) v1(32.5,64.7) v1(32.5,46.3) v1(32.5,44.2) v1(32.6,59.5) v1(32.6,57.6) v1(32.6,56.7) v1(32.6,52.2) v1(32.6,49.8) v1(32.7,58.8) v1(32.8,14.5) v1(32.9,55.2) v1(33.3,74.3) v1(33.3,60.6) v1(33.5,79.7) v1(33.5,37.1) v1(33.5,28.3) v1(33.5,12.2) v1(33.5,11) v1(33.6,45.5) v1(33.7,55.4) v1(33.7,33.1) v1(33.8,69) v1(33.8,64.3) v1(33.8,63.7) v1(33.8,57.6) v1(33.8,56.7) v1(33.8,54.5) v1(33.8,52.2) v1(33.8,15.2) v1(34,67.9) v1(34,65.5) v1(34.1,70.1) v1(34.4,39.1) v1(34.5,71.5) v1(34.5,59) v1(34.6,57.3) v1(34.7,69) v1(34.7,67.4) v1(34.7,65.7) v1(34.7,31.1) v1(34.8,62.9) v1(34.8,55.9) v1(35,56.7) v1(35,54.5) v1(35,52.2) v1(35.3,68.2) v1(35.3,18.5) v1(35.3,17.5) v1(35.5,64.9) v1(35.5,13.3) v1(35.5,12.5) v1(35.6,33.1) v1(35.6,31.1) v1(35.7,69) v1(35.7,67.4) v1(35.7,34.9) v1(35.9,56.4) v1(35.9,49.9) v1(35.9,39.3) v1(36,79.7) v1(36,73.3) v1(36,52.2) v1(36,9.9) v1(36.3,55.4) v1(36.4,73.9) v1(36.5,64.9) v1(36.6,18.5) v1(36.6,17.5) v1(37,52.2) v1(37.1,68.9) v1(37.1,42.5) v1(37.1,41.4) v1(37.4,33.1) v1(37.5,41.9) v1(37.8,36.2) v1(37.8,25.8) v1(37.9,56.6) v1(37.9,28.4) v1(38.2,26.5) v1(38.4,74.8) v1(38.4,68.6) v1(38.4,58.3) v1(38.4,52.2) v1(38.5,79.7) v1(38.5,54.1) v1(38.5,14.9) v1(38.5,12.8) v1(38.6,59) v1(38.6,35.2) v1(38.6,28.1) v1(38.6,11) v1(38.7,36.2) v1(38.7,33.1) v1(38.8,54.5) v1(38.8,31) v1(38.8,25.8) v1(39.2,75.2) v1(39.3,49.2) v1(39.4,64.4) v1(39.5,26.5) v1(39.5,21.2) v1(39.8,36.3) v1(39.9,72.2) v1(39.9,70.1) v1(39.9,64.9) v1(39.9,49.8) v1(39.9,24.8) v1(40.3,56.8) v1(40.3,19.3) v1(40.5,27.3) v1(40.7,21.1) v1(40.7,14.4) v1(40.8,25.2) v1(40.9,72.2) v1(40.9,70.1) v1(41,79.7) v1(41.1,12.6) v1(41.1,10.9) v1(41.3,75.1) v1(41.3,74.2) v1(41.6,21.7) v1(41.8,31.7) v1(41.9,24.4) v1(42,63.2) v1(42.2,72.2) v1(42.2,71.1) v1(42.2,70.1) v1(42.3,58.5) v1(42.3,41.8) v1(42.4,56.1) v1(42.4,21.5) v1(42.5,61.6) v1(42.5,31.3) v1(42.7,75.1) v1(42.7,73.4) v1(42.7,59.1) v1(42.7,56.7) v1(42.8,55.6) v1(42.9,63.2) v1(42.9,18.8) v1(43.1,49.1) v1(43.4,20.9) v1(43.4,19.7) v1(43.5,64.8) v1(43.6,31.2) v1(43.6,10.9) v1(43.7,79.7) v1(43.7,61.8) v1(43.7,26.7) v1(43.8,75.1) v1(43.8,73.4) v1(43.8,33.2) v1(43.8,18) v1(44,49.9) v1(44,16.3) v1(44.1,63.2) v1(44.3,44.7) v1(44.4,60.5) v1(44.5,46) v1(44.5,31.3) v1(44.6,17.8) v1(44.8,73.4) v1(44.8,18.8) v1(44.9,64.8) v1(44.9,20) v1(45.2,31.6) v1(45.3,61.7) v1(45.4,15) v1(45.8,73.4) v1(45.8,71.7) v1(45.8,46.8) v1(45.8,35.5) v1(46,77.5) v1(46,53.7) v1(46,19.5) v1(46.1,31.4) v1(46.1,10.1) v1(46.2,79.7) v1(46.2,15) v1(46.3,47.6) v1(46.4,58.7) v1(46.5,28.7) v1(46.65,31.05) v1(46.7,46.8) v1(46.7,21.5) v1(46.8,73.4) v1(46.8,72.4) v1(46.8,33.1) v1(47,61.7) v1(47.1,47.6) v1(47.2,58.7) v1(47.2,48.9) v1(47.2,41.6) v1(47.2,20.9) v1(47.5,46.8) v1(47.5,28.7) v1(47.5,15) v1(47.9,73.4) v1(47.9,47.6) v1(47.9,20.3) v1(48.2,46.8) v1(48.2,40.9) v1(48.3,46) v1(48.4,66.2) v1(48.4,64.7) v1(48.4,61.7) v1(48.4,57.4) v1(48.5,59.5) v1(48.6,79.7) v1(48.6,31.3) v1(48.7,15) v1(48.7,9.3) v1(48.9,73.4) v1(48.9,72.4) v1(48.9,65.4) v1(49.1,59) v1(49.3,66.2) v1(49.6,42.9) v1(49.7,64.8) v1(49.8,59.4) v1(49.8,21.5) v1(50,73.4) v1(50,40) v1(50.3,68.4) v1(50.3,50.9) v1(50.6,65.4) v1(50.6,60.4) v1(50.9,33.3) v1(51,21.7) v1(51,20.9) v1(51.1,73.4) v1(51.1,50.6) v1(51.2,57.8) v1(51.4,78.7) v1(51.4,68.3) v1(51.5,56.4) v1(51.5,15) v1(51.9,47.8) v1(51.9,10) v1(52.2,73.4) v1(52.2,64.7) v1(52.2,14.9) v1(52.3,19) v1(52.6,59.2) v1(52.6,48.1) v1(52.6,8.1) v1(52.7,47.2) v1(52.8,66.4) v1(52.9,68.4) v1(53.3,65.7) v1(53.3,64.6) v1(53.4,73.4) v1(53.4,71.8) v1(53.4,70.4) v1(53.4,10) v1(53.7,18.6) v1(53.8,68) v1(54.3,58.9) v1(54.7,60.4) v1(54.8,73.4) v1(54.8,71.8) v1(54.8,70.4) v1(54.9,21.2) v1(55.4,81.8) v1(55.4,68.3) v1(55.4,64.4) v1(55.4,63.5) v1(55.5,60.5) v1(55.6,75.7) v1(55.6,66.4) v1(55.8,29.3) v1(55.9,24.1) v1(55.9,23.1) v1(55.9,21.9) v1(55.9,17.8) v1(56,71.8) v1(56,70.4) v1(56,15.4) v1(56.3,59.4) v1(56.3,9.5) v1(56.4,10.3) v1(56.5,51.9) v1(56.6,68.8) v1(56.8,15.9) v1(57,14) v1(57.1,66.4) v1(57.1,47.6) v1(57.3,60.2) v1(57.3,59.4) v1(57.7,69.8) v1(57.8,67.7) v1(57.9,72.9) v1(58,15) v1(58.1,17.7) v1(58.5,49.7) v1(58.6,47.6) v1(58.8,66.4) v1(58.9,68.9) v1(58.9,45.3) v1(58.9,10.3) v1(59,74.2) v1(59,71.5) v1(59.3,21.1) v1(59.4,80.5) v1(59.5,76.3) v1(59.5,18.1) v1(59.5,14.8) v1(59.7,65.2) v1(59.7,64.4) v1(59.7,22.7) v1(59.8,55.3) v1(59.8,28.2) v1(59.9,45.9) v1(59.9,35.9) v1(59.9,33.9) v1(59.9,18.9) v1(60,67.7) v1(60.1,72.5) v1(60.4,52.9) v1(60.4,47) v1(60.6,49.7) v1(60.7,56.2) v1(60.7,43.4) v1(60.8,70.3) v1(60.9,66.3) v1(61.2,73.4) v1(61.3,66.9) v1(61.4,51.8) v1(61.4,49.3) v1(61.4,14.7) v1(61.4,10.3) v1(61.5,69) v1(61.5,35.8) v1(61.6,71.4) v1(61.8,66.3) v1(61.9,56.4) v1(62,50.4) v1(62.1,73.9) v1(62.1,52.4) v1(62.3,72) v1(62.3,70.3) v1(62.3,67.9) v1(62.6,51.7) v1(62.7,67.5) v1(62.8,50.1) v1(62.8,14.9) v1(62.9,65.5) v1(63,68.5) v1(63,55.6) v1(63.1,49) v1(63.1,35.5) v1(63.2,53.4) v1(63.3,22.3) v1(63.6,73.8) v1(63.7,76.3) v1(63.7,23) v1(63.7,12.4) v1(63.9,56.2) v1(64,69.2) v1(64.1,72) v1(64.1,52.9) v1(64.1,46.4) v1(64.1,43.8) v1(64.2,49.8) v1(64.2,48.9) v1(64.2,45.2) v1(64.4,59.8) v1(64.4,57.5) v1(64.4,10.3) v1(64.5,66.5) v1(64.5,65.5) v1(64.7,69.9) v1(64.7,23.3) v1(64.8,32.1) v1(64.9,67.7) v1(64.9,35.5) v1(64.9,33.2) v1(65,73.9) v1(65.1,50.3) v1(65.3,65) v1(65.3,47.3) v1(65.4,42.8) v1(65.5,44.8) v1(65.6,63) v1(65.7,12) v1(65.9,13) v1(66.1,60.2) v1(66.4,15.5) v1(66.5,28.4) v1(67.3,28.3) v1(67.5,65.2) v1(67.5,63) v1(67.7,29) v1(67.8,30.8) v1(67.8,29.9)